# KiCad board yddraig09.kicad_pcb (continued)
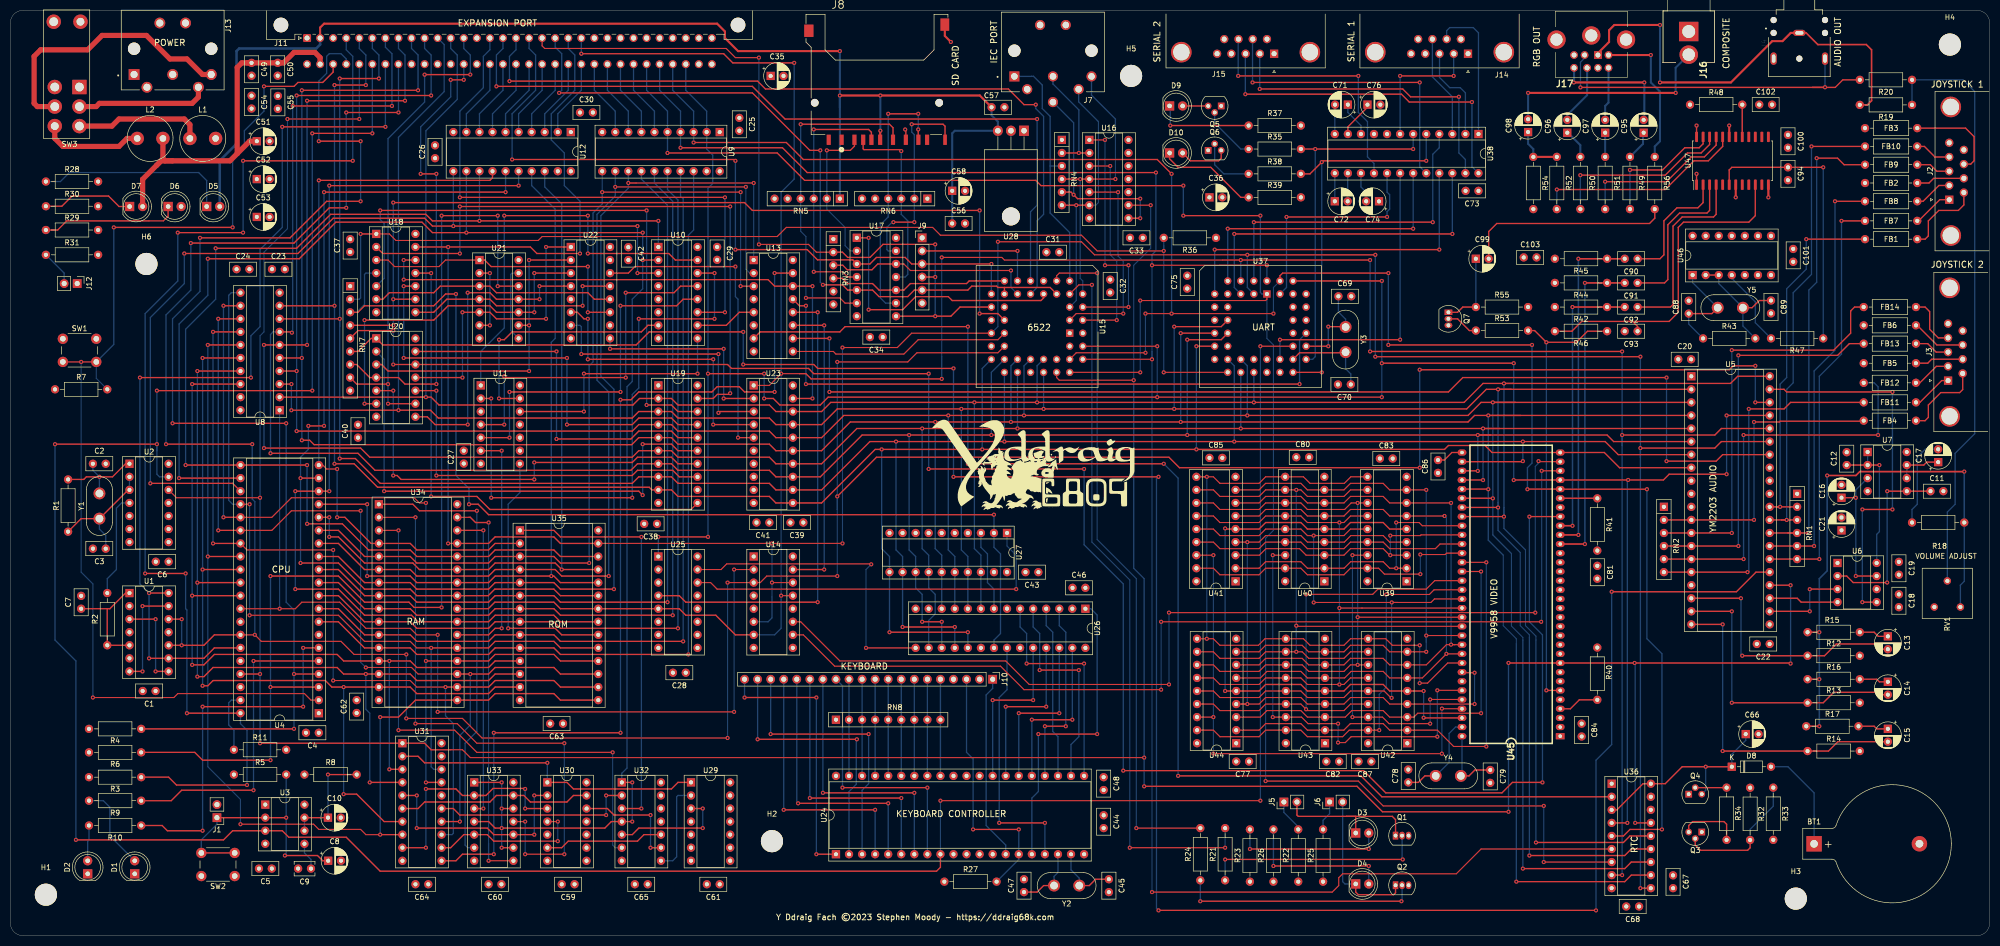
[diagram p0: board, top side]
## Routing (per net, layer and track width the routed paths; a pad name or vN(x,y) marks a point on that pad's centre or on a via; arc(x,y) is an arc through that point) (continued)
/6809 CPU/CPU_A3: length 160.3
  Top w0.25: U4.11 63.82,68.68 68.9,63.6 U34.9 77.79,63.6 79.06,62.33 93.03,62.33 94.3,63.6 U35.7 105.73,63.6 107,62.33 v1(128.84,62.33)
  Bottom w0.25: v1(128.84,62.33) 128.84,142.85 125.29,146.41 U9.15
/6809 CPU/CPU_A4: length 157.4
  Top w0.25: v1(127.83,64.87) 107,64.87 105.73,66.14 U35.6 94.3,66.14 93.03,64.87 79.06,64.87 77.79,66.14 U34.8 68.9,66.14 63.82,71.22 U4.12
  Bottom w0.25: v1(127.83,64.87) 127.83,142.09 122.75,147.17 U9.14
/6809 CPU/CPU_A5: length 185
  Top w0.21: v1(144.59,146.41) 121.73,146.41
  Top w0.25: U4.13 63.82,73.76 68.9,68.68 U34.7 77.79,68.68 79.06,67.41 93.03,67.41 94.3,68.68 U35.5 105.73,68.68 107,67.41 v1(117.41,67.41) ; 121.73,146.41 v1(120.21,146.41)
  Bottom w0.21: U13.1 v1(144.59,146.41)
  Bottom w0.25: U9.13 v1(120.21,146.41) 120.21,145.39 114.87,140.06 114.87,108.81 117.41,106.27 v1(117.41,67.41)
/6809 CPU/CPU_A6: length 184.5
  Top w0.21: v1(117.67,145.64) v1(143.07,145.64)
  Top w0.25: v1(116.4,69.95) 107.25,69.95 105.98,71.22 U35.4 94.3,71.22 93.03,69.95 79.06,69.95 77.79,71.22 U34.6 68.9,71.22 63.82,76.3 U4.14
  Bottom w0.21: v1(143.07,145.64) 143.07,129.64 143.83,128.88 U13.2 ; v1(117.67,145.64) U9.12
  Bottom w0.25: v1(116.4,69.95) 116.4,105.77 114.11,108.05 114.11,140.31 117.67,143.87 v1(117.67,145.64)
/6809 CPU/CPU_A7: length 181.3
  Top w0.21: v1(142.05,144.63) v1(115.13,144.63) ; U13.3 v1(142.05,126.34)
  Top w0.25: U4.15 63.82,78.84 68.9,73.76 U34.5 77.79,73.76 79.06,72.49 93.03,72.49 94.3,73.76 U35.3 105.73,73.76 107,72.49 v1(112.59,72.49)
  Bottom w0.21: v1(115.13,144.63) U9.11 ; v1(142.05,126.34) v1(142.05,144.63)
  Bottom w0.25: v1(112.59,72.49) 112.59,110.85 113.35,111.61 113.35,140.56 115.13,142.34 v1(115.13,144.63)
/6809 CPU/CPU_A8: length 140.7
  Top w0.25: U35.25 v1(107.25,71.22) 105.98,72.49 94.3,72.49 93.03,71.22 U34.27 79.57,71.22 78.3,72.49 68.9,72.49 63.82,77.57 v1(62.04,77.57) ; v1(62.04,81.38) U4.16
  Bottom w0.25: v1(107.25,71.22) 107.25,142.34 103.95,145.64 U12.18 ; v1(62.04,77.57) v1(62.04,81.38)
/6809 CPU/CPU_A9: length 150.9
  Top w0.25: U35.24 107,68.68 105.73,69.95 v1(105.22,69.95) 94.3,69.95 93.03,68.68 U34.26 79.06,68.68 77.79,69.95 v1(69.41,69.95) ; v1(69.41,83.92) U4.17
  Bottom w0.25: U12.17 101.41,145.9 105.98,141.33 105.98,116.18 105.22,115.42 v1(105.22,69.95) ; v1(69.41,69.95) v1(69.41,83.92)
/6809 CPU/CPU_A10: length 187.3
  Top w0.25: v1(62.04,145.9) v1(98.87,145.9) ; v1(55.44,67.41) 63.82,67.41 68.9,62.33 78.04,62.33 79.31,61.06 U34.23 93.03,61.06 94.3,62.33 105.73,62.33 107,61.06 U35.21 ; v1(62.04,86.46) U4.18 v1(55.44,86.46)
  Bottom w0.25: v1(55.44,67.41) v1(55.44,86.46) ; v1(62.04,86.46) v1(62.04,145.9) ; v1(98.87,145.9) U12.16
/6809 CPU/CPU_A11: length 180.3
  Top w0.25: U35.23 107,66.14 105.73,67.41 94.24,67.41 92.97,66.14 U34.25 79.06,66.14 77.79,67.41 68.9,67.41 63.82,72.49 v1(56.45,72.49) ; v1(57.98,99.16) v1(61.03,99.16) ; v1(61.03,144.63) v1(96.33,144.63) ; v1(56.45,89) U4.19
  Bottom w0.25: v1(56.45,72.49) v1(56.45,89) 56.45,93.07 57.98,94.59 v1(57.98,99.16) ; v1(96.33,144.63) U12.15 ; v1(61.03,99.16) v1(61.03,144.63)
/6809 CPU/CPU_A12: length 142.6
  Top w0.21: v1(63.57,90.78) 61.53,90.78 60.77,91.54 U4.20
  Top w0.25: U12.14 93.79,147.42 93.28,146.91 v1(60.01,146.91) ; U35.2 94.3,76.3 93.03,75.03 79.06,75.03 77.79,76.3 U34.4 70.17,76.3 65.09,81.38 v1(63.57,81.38)
  Bottom w0.25: U4.20 v1(60.01,146.91) ; v1(63.57,81.38) v1(63.57,90.78)
/6809 CPU/CPU_A13: length 244.1
  Top w0.25: v1(39.94,133.71) 55.69,133.71 62.3,140.31 80.84,140.31 82.11,139.04 v1(91.25,139.04) v1(126.05,139.04) ; v1(57.72,91.54) U4.21 v1(34.1,91.54) ; v1(57.72,80.11) 64.58,80.11 69.66,75.03 77.79,75.03 79.06,73.76 U34.28 93.03,73.76 94.3,75.03 105.73,75.03 107,73.76 U35.26
  Bottom w0.25: v1(39.94,133.71) 39.94,123.8 34.1,117.96 v1(34.1,91.54) ; v1(126.05,139.04) U10.1 ; U12.13 v1(91.25,139.04) ; v1(57.72,80.11) v1(57.72,91.54)
/6809 CPU/CPU_A14: length 333.7
  Top w0.25: v1(123,136.75) v1(88.71,136.75) 82.11,136.75 80.08,138.79 63.31,138.79 56.2,131.67 v1(38.42,131.67) ; v1(120.97,22.2) U32.4 116.91,22.2 115.64,20.93 v1(95.57,20.93) 94.3,20.93 93.03,22.2 U33.4 ; v1(95.57,17.12) U33.9 ; U4.22 v1(32.83,89) ; U10.2 v1(123,131.42) ; U33.12 v1(95.57,24.74) ; v1(95.57,29.82) U33.1 ; v1(120.97,29.82) U32.1
  Bottom w0.25: 95.57,23.98 v1(95.57,20.93) v1(95.57,17.12) ; 95.57,23.98 v1(95.57,24.74) ; 95.57,23.98 v1(95.57,29.82) ; v1(32.83,89) 32.83,118.97 38.42,124.56 v1(38.42,131.67) ; v1(123,136.75) v1(123,131.42) 123,125.83 120.97,123.8 120.97,107.8 119.95,106.78 119.95,32.61 118.94,31.6 U32.1 ; v1(120.97,22.2) v1(120.97,29.82) ; v1(88.71,136.75) U12.12
/6809 CPU/CPU_A15: length 181.1
  Top w0.25: v1(121.99,138.02) v1(86.17,138.02) 82.11,138.02 80.58,139.55 62.8,139.55 55.95,132.69 v1(33.85,132.69) ; U4.23 43.25,87.99 v1(27.24,87.99) ; U10.3 v1(121.99,128.88)
  Bottom w0.25: v1(121.99,128.88) v1(121.99,138.02) ; v1(33.85,132.69) 33.85,126.85 27.24,120.24 v1(27.24,87.99) ; v1(86.17,138.02) U12.11
/6809 CPU/RD~{WR}: length 184.3
  Top w0.21: v1(83.12,58.52) 79.06,58.52 77.79,59.79 69.15,59.79 64.07,64.87 56.71,64.87 55.44,63.6 v1(52.39,63.6) U4.32 ; v1(140.78,71.22) U14.2 ; v1(83.12,43.54) v1(140.78,43.54)
  Bottom w0.21: v1(140.78,43.54) v1(140.78,71.22) ; U8.1 v1(52.39,63.6) ; v1(83.12,43.54) v1(83.12,58.52)
/6809 CPU/RESET: length 566.3
  Top w0.21: v1(180.91,26.26) v1(243.14,26.26) ; v1(243.14,114.66) U37.32
  Top w0.25: v1(28.51,106.02) v1(58.74,106.02) ; U24.9 180.91,13.31 180.15,12.55 71.95,12.55 65.34,19.15 54.17,19.15 52.9,20.42 U3.3 43.25,20.42 41.47,18.64 v1(12.77,18.64) ; v1(8.7,95.61) v1(28.51,95.61) ; v1(58.74,156.06) v1(70.42,156.06)
  Bottom w0.21: v1(243.14,26.26) v1(243.14,114.66) ; U24.9 v1(180.91,26.26)
  Bottom w0.25: J11.C6 v1(70.42,156.06) ; v1(58.74,156.06) v1(58.74,106.02) ; v1(28.51,95.61) 28.51,94.34 ; 28.51,94.34 28.51,89.76 29.02,89.26 U2.13 ; 28.51,94.34 v1(28.51,106.02) ; v1(12.77,18.64) 12.77,53.44 8.7,57.51 v1(8.7,95.61)
/6809 CPU/~{FIRQ}: length 231.6
  Top w0.25: v1(55.18,50.9) U4.4 ; R4.2 v1(55.18,40.23) ; v1(68.14,142.85) 61.53,142.85 54.42,135.74 v1(36.9,135.74) ; v1(68.14,154.53) v1(60.01,154.53) ; v1(53.66,99.67) v1(31.56,99.67)
  Bottom w0.25: v1(68.14,142.85) v1(68.14,154.53) ; v1(31.56,99.67) 31.56,119.99 36.9,125.32 v1(36.9,135.74) ; v1(60.01,154.53) 60.01,166.22 61.53,167.74 61.53,171.04 62.04,171.55 64.33,171.55 65.34,170.54 J11.C4 ; v1(55.18,40.23) v1(55.18,50.9) 55.18,63.35 53.66,64.87 v1(53.66,99.67)
/6809 CPU/~{HALT}: length 222.6
  Top w0.25: v1(46.04,29.31) 32.32,29.31 30.8,30.84 R3.2 ; v1(45.28,136.75) v1(32.58,136.75) ; v1(45.28,150.72) v1(66.61,150.72) ; v1(26.23,70.46) v1(34.1,70.46) ; v1(34.36,43.28) U4.40
  Bottom w0.25: U4.40 44.77,41.25 46.04,39.98 v1(46.04,29.31) ; J11.A4 65.34,172.31 66.61,171.04 v1(66.61,150.72) ; v1(26.23,70.46) 26.23,121.01 32.58,127.36 v1(32.58,136.75) ; v1(34.1,70.46) 34.1,63.6 34.36,63.35 v1(34.36,43.28) ; v1(45.28,150.72) v1(45.28,136.75)
/6809 CPU/~{IRQ}: length 211.7
  Top w0.25: v1(50.61,34.14) 37.4,34.14 35.88,35.66 R6.2 ; v1(83.89,63.86) 78.55,63.86 77.54,64.87 68.9,64.87 63.82,69.95 v1(50.61,69.95) ; U21.12 v1(94.81,126.34) ; v1(83.89,140.06) v1(94.81,140.06) ; v1(50.61,48.36) U4.3
  Bottom w0.25: v1(83.89,63.86) v1(83.89,140.06) ; v1(50.61,69.95) v1(50.61,48.36) v1(50.61,34.14) ; v1(94.81,126.34) v1(94.81,140.06)
/6809 CPU/~{NMI}: length 220.5
  Top w0.21: v1(16.07,46.33) 31.82,46.33 32.58,47.09 57.22,47.09 58.49,45.82 U4.2 ; SW1.2 v1(13.78,111.61) SW1.2
  Top w0.25: v1(49.34,165.2) 55.18,165.2 55.95,165.96 60.77,165.96 62.8,168 J11.C3 ; v1(20.13,137.77) v1(43.25,137.77)
  Bottom w0.21: R7.2 16.73,108.41 SW1.2 ; v1(16.07,46.33) 16.07,68.43 13.78,70.71 v1(13.78,111.61)
  Bottom w0.25: v1(20.13,137.77) 20.13,115.01 SW1.2 ; v1(49.34,165.2) 49.34,160.38 45.53,156.57 45.53,153.26 43.25,150.98 v1(43.25,137.77)
/6809 CPU/~{RESET}: length 689.7
  Top w0.21: U16.9 v1(221.81,142.09) ; 85.66,36.17 87.95,36.17 89.47,34.65 v1(220.54,34.65) ; U2.12 32.32,85.19 v1(48.58,85.19) ; v1(218.51,108.05) 204.03,108.05 203.52,108.56 U15.37 ; v1(53.91,158.85) v1(67.88,158.85)
  Top w0.25: U36.15 v1(316.04,21.95) ; v1(220.54,29.06) 261.94,29.06 266.89,24.1 v1(291.4,24.1) ; U4.37 v1(48.58,50.9) ; v1(291.4,53.06) 291.42,53.05 U45.9 v1(315.93,53.05) 346.16,53.05 v1(346.27,52.93) ; 85.66,36.17 81.85,36.17 80.58,37.44 U31.1 v1(48.58,37.44) ; v1(346.27,68.17) U5.24
  Bottom w0.21: v1(218.51,108.05) 218.51,130.4 221.81,133.71 v1(221.81,142.09) ; v1(53.91,158.85) 53.91,137.52 49.34,132.94 49.34,117.45 48.58,116.69 v1(48.58,85.19) v1(48.58,50.9) ; v1(67.88,158.85) J11.C5
  Bottom w0.25: v1(315.93,53.05) 316.04,52.93 v1(316.04,21.95) ; v1(346.27,52.93) v1(346.27,68.17) ; v1(218.51,108.05) 218.51,71.48 220.54,69.44 v1(220.54,34.65) v1(220.54,29.06) ; v1(291.4,53.06) v1(291.4,24.1) ; v1(48.58,50.9) v1(48.58,37.44)
/Audio/A0: length 489.2
  Top w0.21: v1(223.08,104.75) v1(266.77,104.75) ; U15.42 v1(223.08,114.66)
  Top w0.25: v1(146.62,109.32) v1(135.7,109.32) ; U36.4 v1(314.52,21.95) ; v1(333.82,89.76) 322.65,89.76 321.53,88.65 v1(314.67,88.65) U45.29 292.44,88.65 v1(292.42,88.62) ; v1(292.42,111.35) v1(266.77,111.35) ; v1(333.82,101.19) U5.37 ; U37.40 v1(266.77,127.36) ; v1(135.7,77.57) v1(126.05,77.57) ; v1(223.08,104.75) 159.07,104.75 157.55,103.23 149.67,103.23 148.4,104.5 v1(146.62,104.5)
  Bottom w0.21: v1(223.08,114.66) v1(223.08,104.75) ; v1(266.77,104.75) v1(266.77,111.35)
  Bottom w0.25: v1(266.77,111.35) v1(266.77,127.36) ; v1(146.62,104.5) v1(146.62,109.32) ; v1(126.05,77.57) U25.1 ; v1(292.42,88.62) v1(292.42,111.35) ; v1(135.7,77.57) v1(135.7,109.32) 135.7,145.39 136.62,146.31 136.62,151.83 135.45,153.01 U9.2 135.45,160.38 131.38,164.44 J11.C30 ; v1(314.52,21.95) 314.52,88.49 v1(314.67,88.65) ; v1(333.82,89.76) v1(333.82,101.19)
/Audio/A1: length 387.8
  Top w0.21: U15.41 207.33,113.39 v1(220.79,113.39) ; v1(220.79,121.01) v1(225.87,121.01) v1(245.68,121.01)
  Top w0.25: v1(295.09,86.84) 295.11,86.87 U45.28 301.49,86.84 v1(318.33,86.84) ; U36.5 313.76,19.41 315.03,20.68 v1(321.25,20.68) ; U37.42 246.95,128.37 247.46,128.88 v1(268.04,128.88) ; v1(225.87,148.18) 223.08,150.98 154.24,150.98 150.94,154.28 v1(132.91,154.28) ; v1(295.98,114.91) v1(268.04,114.91)
  Bottom w0.21: U37.42 245.68,126.09 v1(245.68,121.01) ; v1(220.79,113.39) v1(220.79,121.01)
  Bottom w0.25: v1(318.33,86.84) 318.33,57.76 321.25,54.84 v1(321.25,20.68) ; v1(295.98,114.91) 295.98,91.92 295.09,91.03 v1(295.09,86.84) ; J11.C29 128.84,164.44 132.91,160.38 U9.3 v1(132.91,154.28) ; v1(225.87,121.01) v1(225.87,148.18) ; v1(268.04,114.91) v1(268.04,128.88)
/Audio/A2: length 386.8
  Top w0.21: v1(222.06,8.48) 257.11,8.48 258.38,9.75 258.38,11.28 259.15,12.04 281.24,12.04 286.07,16.87 U36.6 ; U15.40 v1(222.06,112.12) ; v1(222.06,130.4) 235.27,130.4
  Top w0.25: v1(222.82,148.44) 155.01,148.44 150.18,153.26 v1(130.37,153.26) ; 235.27,130.4 v1(244.41,130.4)
  Bottom w0.21: 222.06,113.64 v1(222.06,8.48) ; 222.06,113.64 v1(222.06,130.4) ; 222.06,113.64 v1(222.06,112.12)
  Bottom w0.25: v1(244.41,130.4) U37.44 ; J11.C28 126.3,164.44 130.37,160.38 U9.4 v1(130.37,153.26) ; v1(222.06,130.4) 222.06,132.44 222.82,133.2 v1(222.82,148.44)
/Audio/A3: length 388.6
  Top w0.21: v1(219.78,123.55) 244.16,123.55 244.41,123.8 U37.1 ; v1(219.78,109.58) U15.39 ; v1(298.26,25.25) 267.02,25.25 262.19,30.07 v1(244.16,30.07) ; v1(298.26,14.33) U36.7
  Top w0.25: v1(228.16,145.9) 200.47,145.9 199.46,146.91 154.5,146.91 149.16,152.25 v1(127.83,152.25) ; v1(243.14,140.06) v1(228.16,140.06)
  Bottom w0.21: v1(244.16,30.07) 244.16,77.32 245.68,78.84 245.68,114.91 244.41,116.18 U37.1 ; v1(219.78,123.55) v1(219.78,109.58) ; v1(298.26,14.33) v1(298.26,25.25)
  Bottom w0.25: v1(127.83,152.25) U9.5 127.83,160.38 123.76,164.44 J11.C27 ; v1(228.16,145.9) v1(228.16,140.06) ; U37.1 243.45,124.82 243.14,125.12 v1(243.14,140.06)
/Audio/A4: length 14.9
  Bottom w0.25: J11.C26 121.22,164.44 125.29,160.38 U9.6
/Audio/A5: length 14.9
  Bottom w0.25: J11.C25 118.68,164.44 122.75,160.38 U9.7
/Audio/A6: length 14.9
  Bottom w0.25: J11.C24 116.14,164.44 120.21,160.38 U9.8
/Audio/A7: length 14.9
  Bottom w0.25: J11.C23 113.6,164.44 117.67,160.38 U9.9
/Audio/A8: length 15.1
  Bottom w0.25: J11.C22 111.06,164.44 106.49,159.87 U12.2
/Audio/A9: length 15.1
  Bottom w0.25: J11.C21 108.52,164.44 103.95,159.87 U12.3
/Audio/A10: length 15.1
  Bottom w0.25: U12.4 101.41,159.87 105.98,164.44 J11.C20
/Audio/A11: length 15.1
  Bottom w0.25: U12.5 98.87,159.87 103.44,164.44 J11.C19
/Audio/A12: length 15.1
  Bottom w0.25: J11.C18 100.9,164.44 96.33,159.87 U12.6
/Audio/A13: length 15.1
  Bottom w0.25: J11.C17 98.36,164.44 93.79,159.87 U12.7
/Audio/A14: length 15.1
  Bottom w0.25: U12.8 91.25,159.87 95.82,164.44 J11.C16
/Audio/A15: length 15.1
  Bottom w0.25: J11.C15 93.28,164.44 88.71,159.87 U12.9
/Audio/AUDIO_L: length 86.3
  Top w0.3: R19.2 361.21,161.6 362.02,162.41 362.02,172.31 361,173.33 351.57,173.33 349.3,175.6 J4.1
  Top w0.4: J4.1 346.3,175.6 344.7,174 342.7,174 334.66,165.96 v1(320.87,165.96) ; v1(320.87,177.14) 311.98,177.14 310.96,176.12 310.96,173.84 308.8,171.68 J17.1
  Bottom w0.4: v1(320.87,177.14) v1(320.87,165.96)
/Audio/AUDIO_OUT: length 111.2
  Top w0.3: v1(353.38,89.51) 358.97,89.51 359.73,90.27 v1(380.05,90.27) ; v1(351.86,40.74) R17.1 ; R16.1 v1(351.86,49.89) ; R15.1 v1(351.86,59.03)
  Bottom w0.25: RV1.1 379.3,68.16 379.29,68.17 380.05,68.94 R18.1
  Bottom w0.3: 351.86,58.01 v1(351.86,49.89) v1(351.86,40.74) ; 351.86,58.01 351.86,69.44 353.38,70.97 v1(353.38,89.51) ; 351.86,58.01 v1(351.86,59.03) ; v1(380.05,90.27) R18.1
/Audio/AUDIO_R: length 69.6
  Top w0.25: v1(305.4,165) 350.53,165 ; 350.53,165 354.96,165 356.43,166.47 R20.2 ; 350.53,165 352.93,165 v1(352.97,165.03)
  Bottom w0.25: v1(352.97,165.03) J4.3 ; J17.2 306.2,170.7 305.4,169.9 v1(305.4,165)
/Audio/D0: length 550.6
  Top w0.25: v1(290.51,81.51) 290.5,81.53 U45.40 ; 79.82,104.75 81.85,104.75 83.38,103.23 121.1,103.23 122.37,104.5 U19.2 128.59,104.5 129.86,103.23 147.64,103.23 148.91,101.96 U23.18 157.8,101.96 159.58,103.73 v1(187.52,103.73) v1(199.71,103.73) v1(241.87,103.73) 282.77,103.73 286.45,107.42 292.29,107.42 ; 79.82,104.75 v1(80.84,104.75) ; 79.82,104.75 U8.2 ; U5.40 335.98,108.81 334.58,107.42 292.29,107.42 ; 292.29,107.42 v1(290.51,107.42) ; U36.14 315.03,19.41 313.76,18.14 v1(296.74,18.14)
  Bottom w0.21: 294.71,75.03 294.71,60.3 296.74,58.27 296.74,57.51
  Bottom w0.25: v1(187.52,103.73) 187.52,75.29 188.79,74.02 U27.18 U26.9 ; v1(290.51,81.51) 290.51,83.29 ; 290.51,83.29 290.51,79.22 294.71,75.03 ; 290.51,83.29 v1(290.51,107.42) ; J11.A12 85.66,172.57 86.93,171.3 86.93,162.66 80.84,156.57 v1(80.84,104.75) ; U15.36 199.71,110.85 v1(199.71,103.73) ; U37.22 v1(241.87,103.73) ; v1(296.74,18.14) 296.74,57.51
/Audio/D1: length 562.9
  Top w0.25: v1(289.37,106.27) 291.91,106.27 ; 291.91,106.27 287.09,106.27 283.28,102.46 v1(226.38,102.46) v1(200.98,102.46) v1(184.98,102.46) 160.85,102.46 157.8,99.42 U23.17 148.91,99.42 147.64,100.69 129.86,100.69 128.59,101.96 U19.3 122.24,101.96 120.97,100.69 83.25,100.69 81.73,102.21 75.76,102.21 ; 291.91,106.27 U5.2 ; U45.39 289.35,83.31 v1(289.37,83.29) ; U36.13 315.28,16.87 314.01,15.6 v1(295.47,15.6) ; 75.76,102.21 v1(54.68,102.21) ; 75.76,102.21 v1(75.5,102.21) ; v1(54.68,107.29) U8.3 ; U37.12 235.52,118.47 v1(226.38,118.47)
  Bottom w0.21: 295.47,58.01 295.47,58.52 293.69,60.3 293.69,74.52
  Bottom w0.25: v1(75.5,102.21) 75.5,155.3 84.39,164.19 84.39,173.33 J11.A11 ; v1(226.38,118.47) v1(226.38,102.46) ; v1(289.37,83.29) 289.37,84.3 ; 289.37,84.3 289.37,78.84 293.69,74.52 ; 289.37,84.3 v1(289.37,106.27) ; U26.10 U27.17 186.25,73.76 184.98,75.03 v1(184.98,102.46) ; v1(295.47,15.6) 295.47,58.01 ; v1(54.68,107.29) v1(54.68,102.21) ; U15.35 v1(200.98,102.46)
/Audio/D2: length 572
  Top w0.25: 292.67,103.73 286.07,103.73 283.53,101.19 v1(240.6,101.19) v1(197.17,101.19) v1(182.44,101.19) 162.12,101.19 157.8,96.88 U23.16 148.91,96.88 147.64,98.15 129.86,98.15 128.59,99.42 U19.4 122.24,99.42 120.97,98.15 v1(55.69,98.15) ; 292.67,103.73 v1(288.36,103.73) ; 292.67,103.73 U5.3 ; v1(288.36,85.06) 288.33,85.09 U45.38 ; U8.4 v1(55.69,109.83) ; v1(294.2,13.06) 314.01,13.06 315.28,14.33 U36.12 ; v1(81.85,163.42) v1(55.69,163.42)
  Bottom w0.21: 294.2,57.51 294.2,58.01 291.98,60.24 291.98,74.33
  Bottom w0.25: v1(81.85,163.42) 81.85,171.3 80.58,172.57 J11.A10 ; v1(288.36,103.73) v1(288.36,85.06) 288.36,77.95 291.98,74.33 ; v1(294.2,13.06) 294.2,57.51 ; v1(55.69,98.15) v1(55.69,109.83) v1(55.69,163.42) ; U15.34 197.17,110.85 v1(197.17,101.19) ; v1(182.44,101.19) 182.44,75.03 183.71,73.76 U27.16 U26.11 ; U37.21 240.6,110.85 v1(240.6,101.19)
/Audio/D3: length 585.2
  Top w0.25: U8.5 v1(56.71,112.37) ; v1(79.31,164.44) v1(56.71,164.44) ; U45.37 287.44,86.87 v1(287.47,86.84) ; v1(287.47,101.19) 293.69,101.19 ; 293.69,101.19 U5.4 ; 293.69,101.19 284.8,101.19 283.53,99.92 v1(227.65,99.92) v1(194.63,99.92) v1(179.9,99.92) 163.39,99.92 157.8,94.34 U23.15 148.91,94.34 147.64,95.61 129.86,95.61 128.59,96.88 U19.5 122.24,96.88 120.88,95.51 59.09,95.51 58.23,96.37 v1(56.71,96.37) ; v1(292.93,10.52) 314.01,10.52 315.28,11.79 U36.11 ; U37.13 v1(227.65,117.2)
  Bottom w0.21: 292.93,56.74 292.93,57.76 290.39,60.3 290.39,74.02
  Bottom w0.25: v1(287.47,101.19) v1(287.47,86.84) 287.47,76.94 290.39,74.02 ; v1(227.65,117.2) v1(227.65,99.92) ; U15.32 194.63,110.85 v1(194.63,99.92) ; v1(56.71,164.44) v1(56.71,112.37) v1(56.71,96.37) ; v1(179.9,99.92) 179.9,75.29 181.17,74.02 U27.15 U26.12 ; v1(292.93,10.52) 292.93,56.74 ; v1(79.31,164.44) 79.31,171.3 78.04,172.57 J11.A9
/Audio/D4: length 473.9
  Top w0.25: v1(49.34,114.91) U8.6 v1(57.72,114.91) ; v1(76.77,162.41) v1(57.72,162.41) ; v1(286.45,88.62) 286.43,88.65 U45.36 ; U5.5 289.63,98.65 ; 289.63,98.65 v1(286.45,98.65) ; 289.63,98.65 v1(239.33,98.65) v1(195.9,98.65) v1(177.36,98.65) 164.66,98.65 157.8,91.8 U23.14 148.91,91.8 147.64,93.07 129.86,93.07 128.59,94.34 U19.6 122.24,94.34 120.97,93.07 69.92,93.07 68.14,94.84 v1(49.34,94.84)
  Bottom w0.25: U15.31 v1(195.9,98.65) ; U37.20 v1(239.33,98.65) ; v1(49.34,94.84) v1(49.34,114.91) ; v1(76.77,162.41) 76.77,171.3 75.5,172.57 J11.A8 ; v1(286.45,88.62) v1(286.45,98.65) ; v1(57.72,114.91) v1(57.72,162.41) ; U26.16 178.63,61.32 179.9,62.59 179.9,66.4 178.63,67.67 U27.14 178.63,74.02 177.36,75.29 v1(177.36,98.65)
/Audio/D5: length 489.4
  Top w0.25: v1(54.93,161.39) v1(74.23,161.39) ; U5.6 311.85,96.11 310.58,97.38 287.85,97.38 ; v1(50.61,93.83) 67.63,93.83 70.93,90.53 120.72,90.53 121.99,91.8 U19.7 128.59,91.8 129.86,90.53 147.64,90.53 148.91,89.26 U23.13 157.55,89.26 165.67,97.38 v1(174.82,97.38) v1(190.82,97.38) v1(228.92,97.38) 287.85,97.38 ; v1(285.44,90.4) 285.41,90.43 U45.35 ; v1(177.36,61.06) v1(181.17,61.06) ; v1(54.77,117.29) 54.61,117.45 U8.7 ; 287.85,97.38 v1(285.44,97.38) ; v1(228.92,115.93) 235.52,115.93 U37.14
  Bottom w0.25: v1(50.61,93.83) 50.61,116.94 51.12,117.45 U8.7 ; v1(181.17,61.06) U26.17 ; v1(74.23,161.39) 74.23,171.55 72.96,172.82 J11.A7 ; v1(54.77,117.29) 54.93,117.45 v1(54.93,161.39) ; v1(177.36,61.06) 177.36,66.4 176.09,67.67 U27.13 176.09,73.76 174.82,75.03 v1(174.82,97.38) ; v1(228.92,115.93) v1(228.92,97.38) ; v1(190.82,97.38) 190.82,109.58 U15.30 ; v1(285.44,90.4) v1(285.44,97.38)
/Audio/D6: length 471
  Top w0.25: U5.7 312.74,93.57 310.2,96.11 v1(294.2,96.11) v1(238.06,96.11) v1(193.36,96.11) v1(172.28,96.11) 167.2,96.11 157.8,86.72 U23.12 148.91,86.72 147.64,87.99 129.86,87.99 128.59,89.26 U19.8 122.24,89.26 120.97,87.99 71.95,87.99 67.12,92.81 v1(64.07,92.81) ; v1(173.55,60.05) v1(183.71,60.05) ; U45.34 294.1,92.21 v1(294.2,92.3) ; v1(64.07,166.73) v1(71.69,166.73) ; U8.8 v1(64.07,119.99)
  Bottom w0.25: v1(294.2,92.3) v1(294.2,96.11) ; U15.29 v1(193.36,96.11) ; v1(172.28,96.11) 172.28,75.03 173.55,73.76 U27.12 v1(173.55,60.05) ; J11.A6 70.42,172.57 71.69,171.3 v1(71.69,166.73) ; 64.07,118.47 v1(64.07,166.73) ; 64.07,118.47 v1(64.07,92.81) ; 64.07,118.47 v1(64.07,119.99) ; v1(238.06,96.11) 238.06,110.85 U37.19 ; v1(183.71,60.05) U26.18
/Audio/D7: length 469.9
  Top w0.25: v1(63.06,91.8) 66.87,91.8 71.44,87.22 124.27,87.22 124.78,86.72 U19.9 128.59,86.72 129.86,85.45 147.64,85.45 148.91,84.18 U23.11 157.8,84.18 168.21,94.59 v1(169.48,94.59) v1(189.04,94.59) v1(230.7,94.59) 278.96,94.59 279.72,95.35 286.83,95.35 288.2,93.99 U45.32 310.04,93.99 312.99,91.03 U5.8 ; v1(69.15,165.46) v1(63.06,165.46) ; v1(171.01,59.03) v1(186.25,59.03) ; U8.9 v1(63.06,122.53) ; U37.15 v1(230.7,114.66)
  Bottom w0.25: v1(230.7,114.66) v1(230.7,94.59) ; v1(69.15,165.46) 69.15,171.3 67.88,172.57 J11.A5 ; v1(171.01,59.03) U27.11 171.01,73.76 169.48,75.29 v1(169.48,94.59) ; v1(63.06,91.8) v1(63.06,122.53) v1(63.06,165.46) ; v1(189.04,94.59) 189.04,110.34 U15.28 ; v1(186.25,59.03) U26.19
/Audio/~{CS_SND}: length 218.3
  Top w0.25: v1(322.14,108.56) 282.51,108.56 279.72,105.77 v1(159.32,105.77) ; U13.10 v1(159.32,116.18) ; U5.34 333.06,93.57 331.79,92.3 v1(322.14,92.3)
  Bottom w0.25: v1(159.32,116.18) v1(159.32,105.77) ; v1(322.14,108.56) v1(322.14,92.3)
/Audio/~{IRQ_SND}: length 452.9
  Top w0.25: v1(142.56,111.1) 156.28,111.1 157.04,110.34 v1(183.45,110.34) ; v1(142.56,117.45) 124.27,117.45 121.73,114.91 72.46,114.91 U20.1 70.17,116.18 67.63,113.64 RN7.6 ; v1(223.33,4.93) v1(308.42,4.93) ; v1(311.47,66.9) 335.73,66.9 339.54,70.71 U5.25 ; v1(183.45,89.26) v1(223.33,89.26)
  Bottom w0.25: v1(308.42,4.93) 308.42,34.14 311.47,37.19 v1(311.47,66.9) ; v1(142.56,117.45) v1(142.56,111.1) ; v1(223.33,89.26) 222.93,88.86 222.93,5.33 v1(223.33,4.93) ; v1(183.45,110.34) v1(183.45,89.26)
/Decode Logic/~{BANKSEL}: length 181.8
  Top w0.25: v1(148.66,105.77) 142.81,105.77 141.8,106.78 137.48,106.78 136.46,105.77 122.24,105.77 120.72,104.24 v1(118.68,104.24) ; U31.11 86.68,14.58 87.95,15.85 v1(94.05,15.85) ; v1(148.66,128.88) U13.15 ; v1(94.05,39.47) v1(118.68,39.47)
  Bottom w0.25: v1(148.66,105.77) v1(148.66,128.88) ; v1(118.68,104.24) v1(118.68,39.47) ; v1(94.05,15.85) v1(94.05,39.47)
/Decode Logic/~{CS_EXP}: length 112.7
  Top w0.25: v1(87.44,143.61) v1(139,143.61) ; U10.11 v1(139,121.26)
  Bottom w0.25: v1(139,143.61) v1(139,121.26) ; v1(87.44,143.61) 87.44,160.38 92.01,164.95 92.01,171.04 93.28,172.31 J11.A15
/Decode Logic/~{CS_IRQEN}: length 111.8
  Top w0.25: v1(76.52,127.61) 147.39,127.61 148.66,126.34 U13.14 v1(156.02,126.34) ; v1(156.02,104.5) U23.19 ; v1(76.52,131.42) U18.12
  Bottom w0.25: v1(156.02,126.34) v1(156.02,104.5) ; v1(76.52,127.61) v1(76.52,131.42)
/Decode Logic/~{CS_KBD}: length 92.7
  Top w0.25: U25.4 130.11,66.14 131.38,64.87 v1(157.04,64.87) ; U13.12 v1(157.04,121.26)
  Bottom w0.25: v1(157.04,121.26) v1(157.04,64.87)
/Decode Logic/~{CS_RAM}: length 47.8
  Top w0.25: U34.22 93.03,58.52 94.3,59.79 v1(95.57,59.79) ; U11.6 v1(95.57,94.34)
  Bottom w0.25: v1(95.57,94.34) v1(95.57,59.79)
/Decode Logic/~{CS_ROM}: length 51
  Top w0.25: v1(96.84,59.79) 105.98,59.79 107.25,58.52 U35.20
  Bottom w0.25: v1(96.84,59.79) 96.84,83.92 99.13,86.21 U11.8
/Decode Logic/~{CS_RTC}: length 255.2
  Top w0.25: v1(227.14,31.09) 262.7,31.09 266.77,27.03 U36.2 ; v1(186.25,91.8) v1(224.35,91.8) ; U13.7 145.86,117.45 161.36,117.45 162.37,118.47 v1(186.25,118.47)
  Bottom w0.25: v1(224.35,91.8) 227.14,89 v1(227.14,31.09) ; v1(186.25,91.8) v1(186.25,118.47)
/Decode Logic/~{CS_UART}: length 124.8
  Top w0.25: v1(250.76,107.29) v1(154.75,107.29) ; U13.13 153.48,122.53 v1(154.75,122.53)
  Bottom w0.25: v1(154.75,122.53) v1(154.75,107.29) ; v1(250.76,107.29) 250.76,115.93 U37.33
/Decode Logic/~{CS_VDP}: length 59.7
  Top w0.25: v1(158.31,71.22) U14.15 ; U13.11 v1(158.31,118.72)
  Bottom w0.25: v1(158.31,118.72) v1(158.31,71.22)
/Decode Logic/~{CS_VIA}: length 43
  Top w0.21: U13.9 160.09,113.64 160.59,113.13 173.8,113.13 176.6,115.93 192.09,115.93 U15.25
/Decode Logic/~{IOSEL}: length 12
  Top w0.25: U10.10 139.26,118.72 141.8,121.26 U13.5
/Decode Logic/~{MEM0}: length 80.4
  Top w0.25: v1(96.08,140.06) v1(112.33,140.06) ; v1(112.33,132.69) 128.08,132.69 129.35,131.42 U10.15
  Bottom w0.25: U11.1 91.51,113.64 96.08,118.21 v1(96.08,140.06) ; v1(112.33,132.69) v1(112.33,140.06)
/Decode Logic/~{MEM2}: length 111
  Top w0.25: v1(93.54,85.19) v1(120.97,85.19) ; v1(122.24,119.99) v1(136.97,119.99) ; v1(136.97,128.88) U10.14 ; U11.2 v1(93.54,104.5)
  Bottom w0.25: v1(136.97,119.99) v1(136.97,128.88) ; v1(93.54,104.5) v1(93.54,85.19) ; v1(120.97,85.19) 120.97,105.26 122.24,106.53 v1(122.24,119.99)
/Decode Logic/~{MEM4}: length 68.7
  Top w0.25: U10.13 130.37,126.34 129.1,125.07 v1(119.7,125.07) ; v1(96.08,108.81) 96.33,108.56 v1(119.7,108.56) ; v1(96.08,99.42) U11.4
  Bottom w0.25: v1(119.7,108.56) v1(119.7,125.07) ; v1(96.08,99.42) v1(96.08,108.81)
/Decode Logic/~{MEM6}: length 68.3
  Top w0.25: v1(118.68,122.53) 129.61,122.53 130.88,123.8 U10.12 ; v1(97.09,105.77) v1(118.68,105.77) ; v1(97.09,96.88) U11.5
  Bottom w0.25: v1(118.68,122.53) v1(118.68,105.77) ; v1(97.09,105.77) v1(97.09,96.88)
/Decode Logic/~{MEMC}: length 48.8